# Altium PCB UZ_A_Testboard.PcbDoc (part 2 of 2)
Units mm, origin at the board's own origin, x right, y up, seen from the top; angles counter-clockwise.
Board outline 160 x 100 mm, 4 copper layers (L01_TopLayer, L02_GND, L03_VCC, L04_BottomLayer), stack 1.57 mm thick; 57 components, 80 nets, 503 pads, 305 vias.
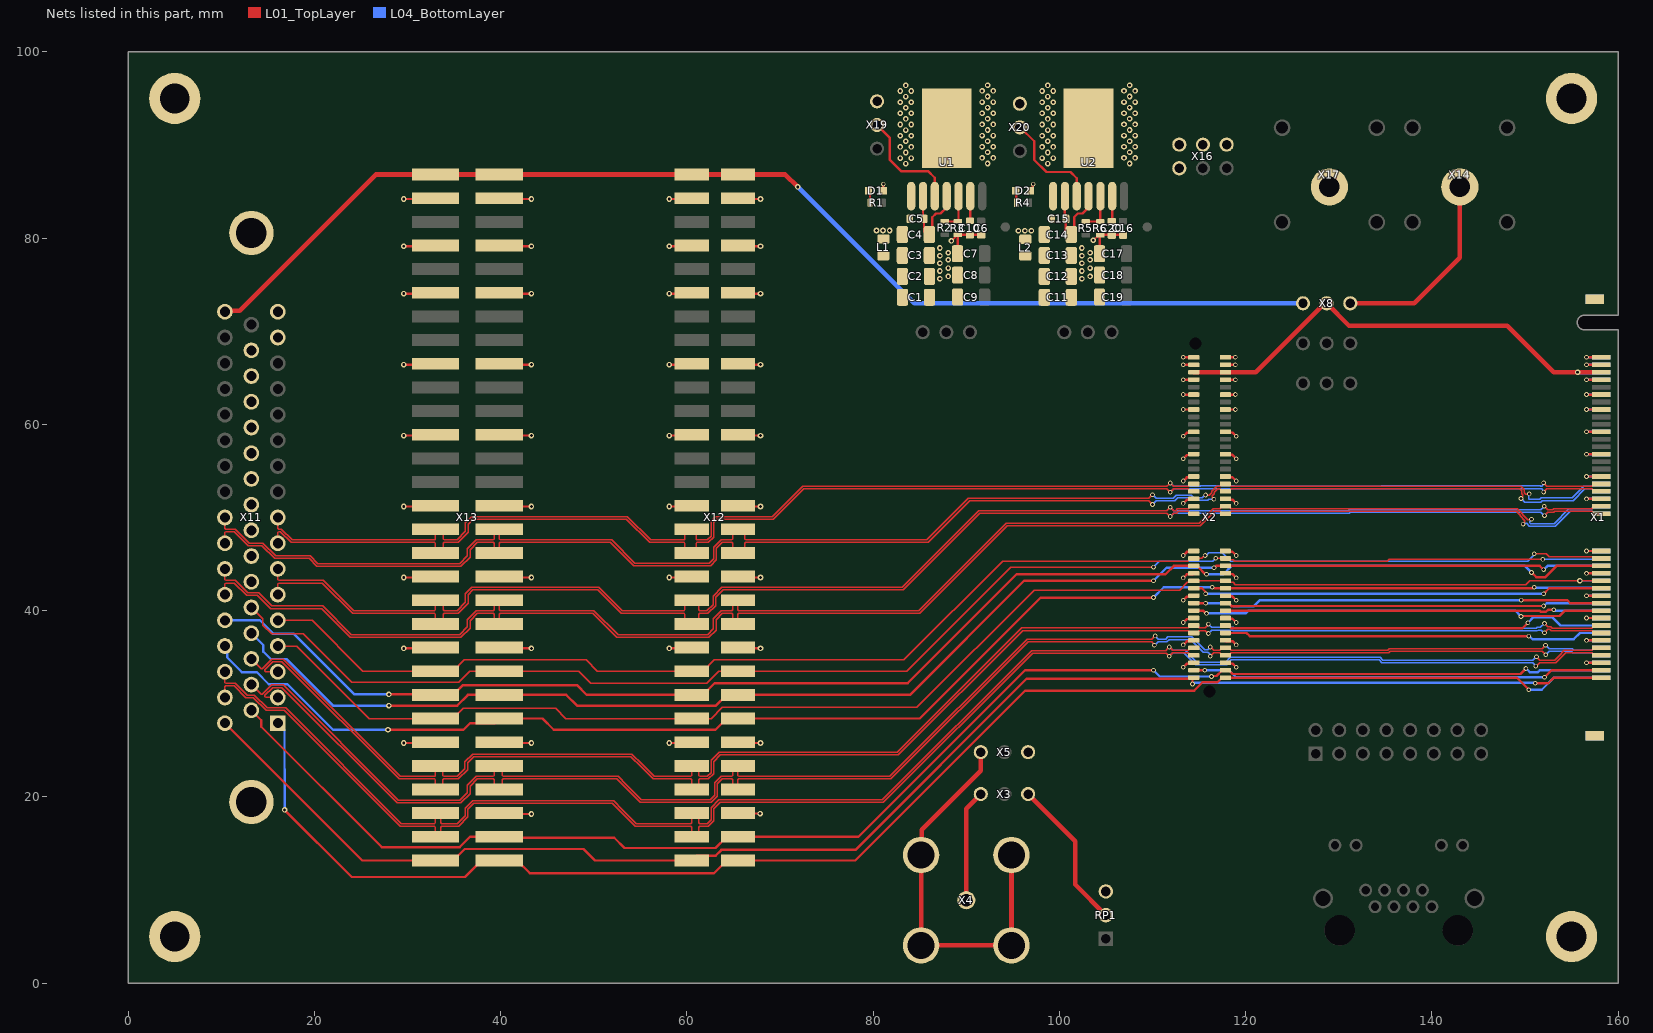
[diagram p4: the nets of this part, all layers, seen from the top]

## Via types
v1: diameter 0.6, hole 0.3, L01_TopLayer to L04_BottomLayer, tented both sides, 114 vias
v2: diameter 0.5, hole 0.3, L01_TopLayer to L04_BottomLayer, 106 vias
v3: diameter 0.6, hole 0.3, L01_TopLayer to L04_BottomLayer, 49 vias
v4: diameter 0.5, hole 0.3, L01_TopLayer to L04_BottomLayer, tented both sides, 36 vias

## Nets (pads, with @x,y where several pads share a name; then routed paths per layer and width w, separated by ;. In a path a pad name is that pad's centre, name@x,y a point inside that pad or via, vN(x,y) a via of type N, cw(c..) or ccw(c..) an arc to the next point about the centre after c; other vN are vias at no path point) (continued)
ANL_06_N: X1.37 X2.37 X11.8 X12.33 X13.33 | length 156.8
  L01_TopLayer w0.15: X11.8@16.069,47.239 16.069,48.393 16.157,48.481 16.34,48.481 17.5,47.321 30.039,47.321 32.912,47.321 33,47.233 X13.33@33,46.19 33.298,46.19 33.858,46.75 33.858,47.233 33.946,47.321 35.433,47.321 36.5,48.389 36.5,49.3 37.023,49.823 53.501,49.823 56.003,47.322 59.693,47.322 59.781,47.234 59.781,46.75 60.341,46.19 X12.33@60.525,46.19 60.993,46.658 60.993,47.234 61.081,47.322 62.301,47.322 62.867,47.887 62.867,49.475 63.184,49.792 69.292,49.792 72.561,53.061 110.717,53.061 111.539,53.062 111.9,52.702 v2(111.9,52.7) 111.902,52.7 112.262,53.061 112.689,53.061 ; 112.69,53.061 113.82,53.061 114.081,52.8 X2.37@114.431,52.8 ; v2(152,52.725) 152.362,53.087 154.649,53.087 154.674,53.061 157.189,53.061 157.45,52.8 X1.37@158.2,52.8
  L04_BottomLayer w0.15: v2(111.9,52.7) 111.902,52.7 112.263,53.062 115.257,53.062 115.307,53.112 118.596,53.112 118.646,53.062 134.677,53.062 134.727,53.112 151.551,53.112 151.575,53.087 151.814,53.087 151.933,52.968 151.933,52.792 v2(152,52.725)
ANL_06_P: X1.35 X2.35 X11.9 X12.31 X13.31 | length 156.8
  L01_TopLayer w0.15: X11.9@16.069,50 16.069,48.846 16.157,48.758 16.455,48.758 17.615,47.598 29.924,47.598 32.912,47.598 33,47.686 X13.31@33,48.73 33.298,48.73 33.858,48.17 33.858,47.686 33.946,47.598 35.318,47.598 36.223,48.503 36.223,49.415 36.908,50.1 53.616,50.1 56.118,47.599 59.693,47.599 59.781,47.686 59.781,48.17 60.341,48.73 X12.31@60.525,48.73 60.993,48.262 60.993,47.686 61.081,47.599 62.187,47.599 62.59,48.002 62.59,49.59 63.069,50.069 69.177,50.069 72.447,53.338 110.602,53.338 ; 110.603,53.339 111.541,53.339 111.788,53.586 111.899,53.586 v2@111.9,53.585 ; v2(111.903,53.7) 111.9,53.697 v2@111.9,53.585 ; 112.574,53.338 112.264,53.338 112.016,53.585 v2@111.9,53.585 ; 112.575,53.338 113.82,53.338 114.081,53.6 X2.35@114.431,53.6 ; v2(152,53.725) 152.361,53.364 154.763,53.364 154.789,53.338 157.189,53.338 157.45,53.6 X1.35@158.2,53.6
  L04_BottomLayer w0.15: v2(111.903,53.7) 111.903,53.698 112.263,53.338 115.142,53.338 115.192,53.388 118.71,53.388 118.76,53.338 134.562,53.338 134.612,53.388 151.665,53.388 151.69,53.364 151.814,53.364 151.933,53.483 151.933,53.658 v2(152,53.725)
ANL_07_N: X1.38 X2.38 X11.41 X12.34 X13.34 | length 163
  L01_TopLayer w0.15: X11.41@10.389,47.239 10.389,48.393 10.477,48.481 11.392,48.481 12.894,46.978 14.354,46.978 15.734,45.598 19.43,45.598 20.265,44.763 35.723,44.763 36.71,45.75 36.71,46.535 37.496,47.321 39.21,47.321 39.298,47.233 X13.34@39.298,46.75 ; X13.34@39.858,46.19 39.858,47.233 39.946,47.321 51.787,47.321 54.285,44.823 62.538,44.823 63.176,45.461 63.176,46.684 63.813,47.322 64.827,47.322 64.915,47.234 64.915,46.75 X12.34@65.475,46.19 65.659,46.19 66.219,46.75 66.219,47.234 66.307,47.322 85.894,47.322 90.35,51.777 109.621,51.777 109.998,51.4 v2(110,51.4) ; v2(116.589,51.954) 116.589,52.048 116.438,52.199 116.438,52.341 116.652,52.555 116.652,52.708 117.006,53.061 117.219,53.061 117.481,52.8 118.181,52.8 118.443,53.061 118.656,53.061 149.419,53.061 149.631,52.849 149.631,52.537 149.738,52.43 149.738,52.296 149.58,52.138 v2(149.58,52.043)
  L04_BottomLayer w0.15: v2(110,51.4) 110,51.402 110.375,51.777 112.367,51.777 112.686,52.096 114.03,52.096 114.295,51.831 115.935,51.831 116.058,51.954 v2(116.589,51.954) ; v2(149.58,52.043) 149.966,51.657 151.699,51.657 151.865,51.823 155.182,51.823 156.42,53.061 157.188,53.061 157.45,52.8 X1.38@158.2,52.8
ANL_07_P: X1.36 X2.36 X11.42 X12.32 X13.32 | length 162.5
  L01_TopLayer w0.15: X11.42@10.389,50 10.389,48.846 10.477,48.758 11.507,48.758 13.009,47.255 14.469,47.255 15.849,45.875 19.545,45.875 20.38,45.04 35.608,45.04 36.433,45.865 36.433,46.65 37.382,47.598 39.21,47.598 39.298,47.686 X13.32@39.298,48.17 ; X13.32@39.858,48.73 39.858,47.686 39.946,47.598 51.902,47.598 54.4,45.1 62.423,45.1 62.899,45.576 62.899,46.799 63.699,47.599 64.827,47.599 64.915,47.686 64.915,48.17 X12.32@65.475,48.73 65.659,48.73 66.219,48.17 66.219,47.686 66.307,47.599 85.78,47.599 90.235,52.054 109.621,52.054 109.996,52.429 v2(109.996,52.431) ; v2(115.702,52.417) 115.735,52.384 116.09,52.384 116.375,52.67 116.375,52.822 116.891,53.338 117.219,53.338 117.481,53.6 X2.36@117.831,53.6 118.181,53.6 118.443,53.338 118.771,53.338 149.534,53.338 149.908,52.964 149.908,52.652 150.065,52.495 150.414,52.495 v2(150.452,52.533)
  L04_BottomLayer w0.15: v2(109.996,52.431) v2(109.996,52.431) 110.375,52.054 112.252,52.054 112.571,52.373 114.144,52.373 114.41,52.108 115.34,52.108 115.649,52.417 v2(115.702,52.417) ; v2(150.452,52.533) 150.395,52.475 150.395,52.022 150.482,51.934 151.584,51.934 151.75,52.1 155.067,52.1 156.305,53.338 157.188,53.338 157.45,53.6 X1.36@158.2,53.6
ANL_08_N: X1.43 X2.43 X11.6 X12.39 X13.39 | length 159.3
  L01_TopLayer w0.15: X11.6@16.069,41.717 16.069,42.871 16.157,42.959 20.841,42.959 24.099,39.701 30.039,39.701 32.912,39.701 33,39.613 X13.39@33,38.57 33.292,38.57 33.852,39.13 33.852,39.613 33.94,39.701 35.433,39.701 36.5,40.769 36.5,41.7 37.023,42.223 50.441,42.223 52.963,39.702 59.693,39.702 59.781,39.614 59.781,39.13 60.341,38.57 X12.39@60.525,38.57 60.709,38.57 61.269,39.13 61.269,39.614 61.357,39.702 62.258,39.702 63.079,40.523 63.079,41.421 63.881,42.223 83.223,42.223 91.461,50.462 111.538,50.462 111.8,50.2 v2@111.9,50.2 ; v2(111.9,50.1) v2@111.9,50.2 ; X2.43@114.431,50.4 114.081,50.4 113.82,50.661 112.788,50.661 112.588,50.462 112.262,50.462 112,50.2 v2@111.9,50.2 ; v2(152.1,50.2) 152.1,50.22 152.441,50.561 153.104,50.561 153.204,50.661 156.734,50.661 157.189,50.661 157.45,50.4 X1.43@158.2,50.4
  L04_BottomLayer w0.15: v2(111.9,50.1) 112.262,50.462 131.147,50.462 131.246,50.561 151.719,50.561 152.08,50.2 v2(152.1,50.2)
ANL_08_P: X1.41 X2.41 X11.7 X12.37 X13.37 | length 159.3
  L01_TopLayer w0.15: X11.7@16.069,44.478 16.069,43.324 16.157,43.236 20.956,43.236 24.214,39.978 29.924,39.978 32.912,39.978 33,40.066 X13.37@33,41.11 33.292,41.11 33.852,40.55 33.852,40.066 33.94,39.978 35.318,39.978 36.223,40.883 36.223,41.815 36.908,42.5 50.556,42.5 53.078,39.979 59.693,39.979 59.781,40.066 59.781,40.55 60.341,41.11 X12.37@60.525,41.11 60.709,41.11 61.269,40.55 61.269,40.066 61.357,39.979 62.143,39.979 62.802,40.638 62.802,41.536 63.766,42.5 83.108,42.5 91.347,50.739 111.539,50.739 v2(111.9,51.1) 112.261,50.739 112.474,50.739 112.674,50.938 113.82,50.938 114.081,51.2 X2.41@114.431,51.2 ; v2(152.059,51.199) 152.08,51.199 152.441,50.838 152.989,50.838 153.09,50.938 156.975,50.938 157.189,50.938 157.45,51.2 X1.41@158.2,51.2
  L04_BottomLayer w0.15: v2(111.9,51.1) 112.262,50.738 131.032,50.738 131.132,50.838 151.719,50.838 152.059,51.179 v2(152.059,51.199)
ANL_09_N: X1.44 X2.44 X11.39 X12.40 X13.40 | length 165.4
  L01_TopLayer w0.15: X11.39@10.389,41.717 10.389,42.871 10.477,42.959 11.392,42.959 12.728,41.623 13.885,41.623 15.285,40.223 20.785,40.223 23.865,37.143 35.723,37.143 36.71,38.13 36.71,38.915 37.496,39.701 39.21,39.701 39.298,39.613 X13.40@39.298,39.13 ; X13.40@39.858,38.57 39.858,39.613 39.946,39.701 49.907,39.701 52.485,37.123 62.338,37.123 63.126,37.911 63.126,39.014 63.813,39.702 64.827,39.702 64.915,39.614 64.915,39.13 X12.40@65.475,38.57 65.475,39.614 65.563,39.702 85.001,39.702 94.423,49.123 115.122,49.123 116.661,50.661 117.219,50.661 117.481,50.4 X2.44@117.831,50.4 118.181,50.4 118.443,50.661 118.656,50.661 149.047,50.661 149.47,50.239 149.47,50.2 149.993,49.677 149.993,49.552 149.796,49.355 v2(149.796,49.289)
  L04_BottomLayer w0.15: v2(149.796,49.289) 149.862,49.355 150.183,49.355 150.473,49.065 153.242,49.065 154.839,50.661 157.188,50.661 157.45,50.4 X1.44@158.2,50.4
ANL_09_P: X1.42 X2.42 X11.40 X12.38 X13.38 | length 165.4
  L01_TopLayer w0.15: X11.40@10.389,44.478 10.389,43.324 10.477,43.236 11.507,43.236 12.843,41.9 14,41.9 15.4,40.5 20.9,40.5 23.98,37.42 35.608,37.42 36.433,38.245 36.433,39.03 37.382,39.978 39.21,39.978 39.298,40.066 X13.38@39.298,40.55 ; X13.38@39.858,41.11 39.858,40.066 39.946,39.978 50.022,39.978 52.6,37.4 62.223,37.4 62.849,38.026 62.849,39.129 63.699,39.979 64.827,39.979 64.915,40.066 64.915,40.55 X12.38@65.475,41.11 65.475,40.066 65.563,39.979 84.887,39.979 94.308,49.4 115.008,49.4 116.546,50.938 117.219,50.938 117.481,51.2 X2.42@117.831,51.2 118.181,51.2 118.443,50.938 118.771,50.938 149.162,50.938 149.747,50.354 149.747,50.315 150.31,49.751 150.632,49.751 v2(150.698,49.817)
  L04_BottomLayer w0.15: v2(150.698,49.817) 150.698,49.752 150.5,49.554 150.5,49.43 150.588,49.342 153.128,49.342 154.724,50.938 157.188,50.938 157.45,51.2 X1.42@158.2,51.2
ANL_Res_00: X1.59 X2.59 | length 44.3
  L01_TopLayer w0.254: X2.59@114.431,40.8 v2(115.7,40.8) ; v2(149.6,41.131) 154.534,41.131 154.866,40.8 X1.59@158.2,40.8
  L04_BottomLayer w0.254: v2(115.7,40.8) 118.2,40.8 118.5,40.5 118.725,40.5 118.739,40.486 120.886,40.486 121.531,41.131 v2(149.6,41.131)
ANL_Res_01: X1.60 X2.60 | length 40.6
  L01_TopLayer w0.254: X2.60@117.831,40.8 118.181,40.8 118.495,40.486 119.261,40.486 119.275,40.5 v2(152,40.5)
  L04_BottomLayer w0.254: v2(152,40.5) 152.04,40.5 152.339,40.8 X1.60@158.2,40.8
ANL_Res_02: X1.61 X2.61 | length 44.5
  L01_TopLayer w0.254: X2.61@114.431,40 115.433,40 115.733,39.7 v2(115.8,39.7) ; v2(149.576,39.369) 149.623,39.416 149.816,39.416 149.819,39.419 153.719,39.419 154.3,40 X1.61@158.2,40
  L04_BottomLayer w0.254: v2(115.8,39.7) 120,39.7 120.3,40 148.945,40 v2(149.576,39.369)
ANL_Res_03: X1.62 X2.62 | length 40.6
  L01_TopLayer w0.254: X2.62@117.831,40 151.578,40 151.709,39.869 152.261,39.869 152.469,40.077 153.077,40.077 v2(153.1,40.1)
  L04_BottomLayer w0.254: v2(153.1,40.1) 153.167,40.1 153.267,40 X1.62@158.2,40
ANL_Res_05: X1.66 X2.66 | length 41.4
  L01_TopLayer w0.254: X2.66@117.831,38.4 118.181,38.4 118.495,38.086 149.706,38.086 v2(150.313,38.693)
  L04_BottomLayer w0.254: v2(150.313,38.693) 150.92,39.3 152.9,39.3 153.8,38.4 X1.66@158.2,38.4
ANL_Res_07: X1.68 X2.68 | length 40.9
  L01_TopLayer w0.254: X2.68@117.831,37.6 120.1,37.6 120.442,37.258 v2(150.4,37.258)
  L04_BottomLayer w0.254: v2(150.4,37.258) 150.467,37.258 150.805,36.919 155.219,36.919 155.9,37.6 X1.68@158.2,37.6
ANL_Res_12: X1.77 X2.77 | length 44.4
  L01_TopLayer w0.254: X2.77@114.431,33.6 v2(115.6,33.6) ; v2(152.1,32.838) 152.862,33.6 X1.77@158.2,33.6
  L04_BottomLayer w0.254: v2(115.6,33.6) 118.2,33.6 118.962,32.838 v2(152.1,32.838)
ANL_Res_14: X1.55 X2.55 | length 44.4
  L01_TopLayer w0.254: X2.55@114.431,42.4 115.3,42.4 115.672,42.028 115.672,41.847 v2(115.7,41.819) ; v2(152,41.8) 152.6,42.4 X1.55@158.2,42.4
  L04_BottomLayer w0.254: v2(115.7,41.819) 119.781,41.819 119.8,41.8 v2(152,41.8)
ANL_SPI_CLK: X1.48 X2.48 X11.22 X12.44 X13.44 | length 155.5
  L01_TopLayer w0.15: X11.22@13.229,40.336 14.462,39.104 14.462,38.438 15.4,37.5 18.8,37.5 24,32.3 35.5,32.3 36.69,33.49 X13.44@39.858,33.49 48.41,33.49 49.7,32.2 62.12,32.2 63.41,33.49 X12.44@65.475,33.49 83.59,33.49 94.771,44.671 v2(110.1,44.671) ; v2(116.79,45.621) 116.8,45.611 117.821,45.611 117.988,45.443 118.656,45.443 118.799,45.3 135.202,45.3 135.402,45.5 v2(151.9,45.5)
  L04_BottomLayer w0.15: v2(110.1,44.671) 110.708,45.279 116.448,45.279 v2(116.79,45.621) ; v2(151.9,45.5) 158.1,45.5 X1.48@158.2,45.6
ANL_SPI_CS: X1.53 X1.54 X2.53 X2.54 X11.4 X12.47 X13.47 | length 155.2
  L01_TopLayer w0.15: X11.4@16.069,36.195 18.105,36.195 25.89,28.41 X13.47@33,28.41 34.905,28.41 35.995,29.5 45.9,29.5 46.99,28.41 X12.47@60.525,28.41 62.59,28.41 63.78,29.6 84.7,29.6 97.3,42.2 112.9,42.2 113.753,43.053 114.284,43.053 X2.53@114.431,43.2 X2.54@117.831,43.2 117.988,43.043 118.656,43.043 118.899,42.8 150.1,42.8 150.5,43.2 v3(155.9,43.2) ; v3@156.1,43.2 v3(155.9,43.2) ; X1.53@158.2,43.2 v3(155.9,43.2)
  L04_BottomLayer w0.15: v3(155.9,43.2) X1.54@158.2,43.2
ANL_SPI_MOSI: X1.47 X2.47 X11.5 X12.43 X13.43 | length 151.6
  L01_TopLayer w0.15: X11.5@16.069,38.956 19.744,38.956 25.21,33.49 X13.43@33,33.49 34.905,33.49 36.115,34.7 49.175,34.7 50.385,33.49 X12.43@60.525,33.49 61.73,33.49 62.94,34.7 83.3,34.7 93.9,45.3 113.781,45.3 114.081,45.6 X2.47@114.431,45.6 114.446,45.615 115.281,45.615 115.583,45.916 v2(115.651,45.916) ; v2(151,46.1) 152.3,46.1 152.625,45.775 158.025,45.775 X1.47@158.2,45.6
  L04_BottomLayer w0.15: v2(115.651,45.916) 115.746,45.916 116.03,46.2 117.5,46.2 118.4,45.3 150.295,45.3 151,46.005 v2(151,46.1)
Collective_FLT: X1.78 X2.78 X11.18 X12.58 X13.58 | length 161.5
  L01_TopLayer w0.254: X11.18@13.229,29.293 14.296,28.225 14.296,27.532 27.229,14.6 35.6,14.6 36.71,15.71 X13.58@39.858,15.71 39.968,15.6 52.2,15.6 53.3,14.5 63.06,14.5 64.27,15.71 X12.58@65.475,15.71 78.41,15.71 96.3,33.6 v2(110.1,33.6) ; v2(116.343,32.931) 116.39,32.978 116.859,32.978 117.481,33.6 X2.78@117.831,33.6 118.181,33.6 118.581,33.2 149.519,33.2 v2(150.1,33.781)
  L04_BottomLayer w0.254: v2(110.1,33.6) 110.769,32.931 v2(116.343,32.931) ; v2(150.1,33.781) 150.14,33.781 150.521,33.4 151.4,33.4 151.6,33.6 X1.78@158.2,33.6
GND: C1.2 C2.2 C3.2 C4.2 C5.1 C6.2 C7.2 C8.2 C9.2 C10.2 C11.2 C12.2 C13.2 C14.2 C15.1 C16.2 C17.2 C18.2 C19.2 C20.2 D1.1 D2.1 pad.2 R3.1 R6.2 RP1.3 U1.2 U1.4 U1.8 U2.2 U2.4 U2.8 X1.1 X1.2 X1.3 X1.4 X1.7 X1.8 X1.11 X1.12 X1.15 X1.16 X1.21 X1.22 X1.27 X1.28 X1.33 X1.34 X1.39 X1.40 X1.45 X1.46 X1.51 X1.52 X1.57 X1.58 X1.63 X1.64 X1.69 X1.70 X1.75 X1.76 X1.G1 X1.G2 X1.G3 X1.G4 X2.1 X2.2 X2.3 X2.4 X2.7 X2.8 X2.11 X2.12 X2.15 X2.16 X2.21 X2.22 X2.27 X2.28 X2.33 X2.34 X2.39 X2.40 X2.45 X2.46 X2.51 X2.52 X2.57 X2.58 X2.63 X2.64 X2.69 X2.70 X2.75 X2.76 X5.1 X11.16 X11.17 X11.23 X11.24 X11.25 X11.26 X11.27 X11.28 X11.29 X11.30 X11.31 X11.32 X11.51 X11.52 X12.03 X12.04 X12.07 X12.08 X12.11 X12.12 X12.17 X12.18 X12.23 X12.24 X12.29 X12.30 X12.35 X12.36 X12.41 X12.42 X12.49 X12.50 X12.56 X13.03 X13.04 X13.07 X13.08 X13.11 X13.12 X13.17 X13.18 X13.23 X13.24 X13.29 X13.30 X13.35 X13.36 X13.41 X13.42 X13.49 X13.50 X13.56 X16.1 X16.2 X16.3 X17.1 X19.3 X20.3 | length 228.5
  L01_TopLayer w0.2: v1(88.4,79.7) 88.81,80.11 88.81,80.173 88.97,80.333 89.102,80.333 R3.1@89.203,80.333 ; v1(103.637,79.767) 103.643,79.767 104.21,80.333 R6.2@104.342,80.333
  L01_TopLayer w0.254: v3(29.6,25.78) 32.91,25.78 X13.49@33,25.87 ; v3(29.6,35.94) 32.91,35.94 X13.41@33,36.03 ; v3(29.6,43.56) 32.91,43.56 X13.35@33,43.65 ; v3(29.6,51.18) 32.91,51.18 X13.29@33,51.27 ; v3(29.6,58.8) 32.91,58.8 X13.23@33,58.89 ; v3(29.6,66.42) 32.91,66.42 X13.17@33,66.51 ; v3(29.6,74.04) 32.91,74.04 X13.11@33,74.13 ; v3(29.6,79.12) 32.91,79.12 X13.07@33,79.21 ; v3(29.6,84.2) 32.91,84.2 X13.03@33,84.29 ; X13.56@39.858,18.25 39.948,18.16 v3(43.3,18.16) ; X13.50@39.858,25.87 39.948,25.78 v3(43.3,25.78) ; X13.42@39.858,36.03 39.948,35.94 v3(43.3,35.94) ; X13.36@39.858,43.65 39.948,43.56 v3(43.3,43.56) ; X13.30@39.858,51.27 39.948,51.18 v3(43.3,51.18) ; X13.24@39.858,58.89 39.948,58.8 v3(43.3,58.8) ; X13.18@39.858,66.51 39.948,66.42 v3(43.3,66.42) ; X13.12@39.858,74.13 39.948,74.04 v3(43.3,74.04) ; X13.08@39.858,79.21 39.948,79.12 v3(43.3,79.12) ; X13.04@39.858,84.29 39.948,84.2 v3(43.3,84.2) ; v3(58.1,25.78) 60.435,25.78 X12.49@60.525,25.87 ; v3(58.1,35.94) 60.435,35.94 X12.41@60.525,36.03 ; v3(58.1,43.56) 60.435,43.56 X12.35@60.525,43.65 ; v3(58.1,51.18) 60.435,51.18 X12.29@60.525,51.27 ; v3(58.1,58.8) 60.435,58.8 X12.23@60.525,58.89 ; v3(58.1,66.42) 60.435,66.42 X12.17@60.525,66.51 ; v3(58.1,74.04) 60.435,74.04 X12.11@60.525,74.13 ; v3(58.1,79.12) 60.435,79.12 X12.07@60.525,79.21 ; v3(58.1,84.2) 60.435,84.2 X12.03@60.525,84.29 ; X12.56@65.43,18.295 65.52,18.205 v3(67.855,18.205) ; X12.50@65.475,25.87 65.565,25.78 v3(67.9,25.78) ; X12.42@65.475,36.03 65.565,35.94 v3(67.9,35.94) ; X12.36@65.475,43.65 65.565,43.56 v3(67.9,43.56) ; X12.30@65.475,51.27 65.565,51.18 v3(67.9,51.18) ; X12.24@65.475,58.89 65.565,58.8 v3(67.9,58.8) ; X12.18@65.475,66.51 65.565,66.42 v3(67.9,66.42) ; X12.12@65.475,74.13 65.565,74.04 v3(67.9,74.04) ; X12.08@65.475,79.21 65.565,79.12 v3(67.9,79.12) ; X12.04@65.475,84.29 65.565,84.2 v3(67.9,84.2) ; D1.1@81.05,85.1 81.1,85.15 v4(81.1,85.8) ; U1.2@85.355,84.509 85.355,82.131 85.461,82.025 85.461,80.723 85.589,80.595 C4.2@86.239,80.595 ; C4.2@86.341,80.852 86.341,82.252 86.741,82.652 87.241,82.652 87.895,83.306 U1.4@87.895,84.509 ; C7.2@89.08,78.331 89.08,78.881 C7.2@89.005,78.956 ; C6.2@91.606,80.377 89.102,80.377 89.102,80.333 89.102,79.053 C7.2@89.005,78.956 ; D2.1@96.85,85.1 97.123,85.373 97.123,85.683 97.2,85.76 v4(97.2,85.8) ; U2.2@100.595,84.509 100.595,82.131 100.701,82.025 100.701,80.723 100.829,80.595 C14.2@101.479,80.595 ; C14.2@101.581,80.852 101.581,82.252 101.981,82.652 102.481,82.652 103.135,83.306 U2.4@103.135,84.509 ; C17.2@104.32,78.331 104.32,78.881 C17.2@104.245,78.956 ; C16.2@106.846,80.377 104.342,80.377 104.342,80.333 104.342,79.053 C17.2@104.245,78.956 ; v4(113.3,33.918) 113.688,34.306 114.337,34.306 X2.75@114.431,34.4 ; v4(113.3,36.318) 113.688,36.706 114.337,36.706 X2.69@114.431,36.8 ; v4(113.3,38.718) 113.688,39.106 114.337,39.106 X2.63@114.431,39.2 ; v4(113.3,41.118) 113.688,41.506 114.337,41.506 X2.57@114.431,41.6 ; v4(113.3,43.518) 113.688,43.906 114.337,43.906 X2.51@114.431,44 ; v4(113.3,45.918) 113.688,46.306 114.337,46.306 X2.45@114.431,46.4 ; v4(113.3,51.518) 113.688,51.906 114.337,51.906 X2.39@114.431,52 ; v4(113.3,53.918) 113.688,54.306 114.337,54.306 X2.33@114.431,54.4 ; v4(113.3,56.318) 113.688,56.706 114.337,56.706 X2.27@114.431,56.8 ; v4(113.3,58.718) 113.688,59.106 114.337,59.106 X2.21@114.431,59.2 ; v4(113.3,61.6) X2.15@114.431,61.6 ; v4(113.3,63.2) X2.11@114.431,63.2 ; v4(113.3,64.8) X2.7@114.431,64.8 ; v4(113.3,66.4) X2.3@114.431,66.4 ; v4(113.3,67.2) X2.1@114.431,67.2 ; X2.76@117.831,34.4 117.906,34.325 118.593,34.325 v4(119,33.917) ; X2.70@117.831,36.8 117.906,36.725 118.593,36.725 v4(119,36.317) ; X2.64@117.831,39.2 117.906,39.125 118.593,39.125 v4(119,38.717) ; X2.58@117.831,41.6 117.906,41.525 118.593,41.525 v4(119,41.117) ; X2.52@117.831,44 117.906,43.925 118.593,43.925 v4(119,43.517) ; X2.46@117.831,46.4 117.906,46.325 118.593,46.325 v4(119,45.917) ; X2.40@117.831,52 117.906,51.925 118.593,51.925 v4(119,51.517) ; X2.34@117.831,54.4 117.906,54.325 118.593,54.325 v4(119,53.917) ; X2.28@117.831,56.8 117.906,56.725 118.593,56.725 v4(119,56.317) ; X2.22@117.831,59.2 117.906,59.125 118.593,59.125 v4(119,58.717) ; X2.16@117.831,61.6 v4(118.9,61.6) ; X2.12@117.831,63.2 v4(118.9,63.2) ; X2.8@117.831,64.8 v4(118.9,64.8) ; X2.4@117.831,66.4 v4(118.9,66.4) ; X2.2@117.831,67.2 v4(118.9,67.2) ; v2(156.6,34.4) X1.75@158.2,34.4 ; v2(156.6,36.8) X1.69@158.2,36.8 ; v2(156.6,39.2) X1.63@158.2,39.2 ; v2(156.6,41.6) X1.57@158.2,41.6 ; v2(156.6,44) X1.51@158.2,44 ; v2(156.6,46.4) X1.45@158.2,46.4 ; v2(156.6,52) X1.39@158.2,52 ; v2(156.6,54.4) X1.33@158.2,54.4 ; v2(156.6,56.8) X1.27@158.2,56.8 ; v2(156.6,59.2) X1.21@158.2,59.2 ; v2(156.6,61.6) X1.15@158.2,61.6 ; v2(156.6,63.2) X1.11@158.2,63.2 ; v2(156.6,64.8) X1.7@158.2,64.8 ; v2(156.6,66.4) X1.3@158.2,66.4 ; v2(156.6,67.2) X1.1@158.2,67.2 ; C7.2@89.005,78.956 88.98,78.981 88.98,78.931 C7.2@89.005,78.956 ; C17.2@104.245,78.956 104.22,78.931 104.22,78.981 C17.2@104.245,78.956
  L04_BottomLayer w0.254: v2(156.6,34.4) X1.76@158.2,34.4 ; v2(156.6,36.8) X1.70@158.2,36.8 ; v2(156.6,39.2) X1.64@158.2,39.2 ; v2(156.6,41.6) X1.58@158.2,41.6 ; v2(156.6,46.4) X1.46@158.2,46.4 ; v2(156.6,52) X1.40@158.2,52 ; v2(156.6,54.4) X1.34@158.2,54.4 ; v2(156.6,56.8) X1.28@158.2,56.8 ; v2(156.6,59.2) X1.22@158.2,59.2 ; v2(156.6,61.6) X1.16@158.2,61.6 ; v2(156.6,63.2) X1.12@158.2,63.2 ; v2(156.6,64.8) X1.8@158.2,64.8 ; v2(156.6,66.4) X1.4@158.2,66.4 ; v2(156.6,67.2) X1.2@158.2,67.2
  other v1: 87.173,75.641 102.413,75.641 88.062,75.895 103.302,75.895 87.173,76.466 102.413,76.466 88.062,76.784 103.302,76.784 87.173,77.292 102.413,77.292 88.062,77.673 103.302,77.673 87.173,78.117 102.413,78.117 88.062,78.435 103.302,78.435 87.173,78.943 102.413,78.943 83.5,88 92.295,88.014 98.74,88 107.535,88.014 82.9,88.6 84.1,88.6 98.14,88.6 99.34,88.6 91.695,88.614 92.895,88.614 106.935,88.614 108.135,88.614 83.5,89.2 92.295,89.214 98.74,89.2 107.535,89.214 82.9,89.8 84.1,89.8 98.14,89.8 99.34,89.8 91.695,89.814 92.895,89.814 106.935,89.814 108.135,89.814 83.5,90.4 98.74,90.4 92.295,90.414 107.535,90.414 82.9,91 84.1,91 91.695,91.014 92.895,91.014 98.14,91 99.34,91 106.935,91.014 108.135,91.014 83.5,91.6 98.74,91.6 92.295,91.614 107.535,91.614 82.9,92.2 84.1,92.2 91.695,92.214 92.895,92.214 98.14,92.2 99.34,92.2 106.935,92.214 108.135,92.214 83.5,92.8 92.295,92.814 98.74,92.8 107.535,92.814 82.9,93.4 84.1,93.4 98.14,93.4 99.34,93.4 91.695,93.414 92.895,93.414 106.935,93.414 108.135,93.414 83.5,94 92.295,94.014 98.74,94 107.535,94.014 82.9,94.6 84.1,94.6 98.14,94.6 99.34,94.6 91.695,94.614 92.895,94.614 106.935,94.614 108.135,94.614 83.5,95.2 98.74,95.2 92.295,95.214 107.535,95.214 82.9,95.8 84.1,95.8 91.695,95.814 92.895,95.814 98.14,95.8 99.34,95.8 106.935,95.814 108.135,95.814 83.5,96.4 98.74,96.4 92.295,96.414 107.535,96.414
GTH_CLK_N: X1.74 X2.74 X11.2 X12.54 X13.54 | length 165.9
  L01_TopLayer w0.15: X11.2@16.069,30.673 14.757,30.673 14.669,30.761 14.669,30.885 15.527,31.743 16.512,31.743 28.892,19.363 35.723,19.363 36.71,20.35 36.71,21.135 37.496,21.921 39.21,21.921 39.298,21.833 X13.54@39.298,21.35 ; X13.54@39.858,20.79 40.173,21.104 40.173,21.833 40.26,21.921 52.487,21.921 53.034,21.374 53.304,21.104 54.985,19.423 62.638,19.423 63.276,20.061 63.276,21.384 63.813,21.922 64.827,21.922 64.915,21.834 64.915,21.35 X12.54@65.475,20.79 65.475,21.834 65.563,21.922 70.599,21.922 81.913,21.921 96.638,36.646 109.893,36.646 110.205,36.335 v2(110.205,36.287) ; v2(116.2,35.1) 116.561,35.462 116.891,35.462 117.219,35.461 117.481,35.2 X2.74@117.831,35.2 118.181,35.2 118.443,35.461 118.656,35.461 135.381,35.461 135.553,35.634 151.833,35.634 152.21,35.257 v2(152.221,35.257)
  L04_BottomLayer w0.15: v2(110.205,36.287) 110.252,36.287 110.612,36.646 111.527,36.646 111.778,36.896 114.1,36.896 115.475,35.521 115.955,35.521 116.133,35.343 116.133,35.167 v2(116.2,35.1) ; v2(152.221,35.257) 152.221,35.267 152.587,35.634 154.951,35.634 155.124,35.461 157.189,35.461 157.45,35.2 X1.74@158.2,35.2
GTH_CLK_P: X1.72 X2.72 X11.19 X12.52 X13.52 | length 166.2
  L01_TopLayer w0.15: X11.19@13.229,32.053 14.275,31.007 14.399,31.007 15.412,32.02 16.627,32.02 29.007,19.64 35.608,19.64 36.433,20.465 36.433,21.25 37.382,22.198 39.21,22.198 39.298,22.286 X13.52@39.298,22.77 ; X13.52@39.858,23.33 40.173,23.015 40.173,22.286 40.26,22.198 52.602,22.198 53.5,21.3 55.1,19.7 62.523,19.7 62.999,20.176 62.999,21.499 63.699,22.199 64.827,22.199 64.915,22.286 64.915,22.77 X12.52@65.475,23.33 65.475,22.286 65.563,22.199 70.714,22.199 81.799,22.198 96.523,36.923 109.893,36.923 110.252,37.282 v2(110.3,37.282) ; v2(116.2,36.1) 116.561,35.739 117.006,35.739 117.219,35.738 117.481,36 X2.72@117.831,36 118.181,36 118.443,35.738 118.923,35.738 ; 118.924,35.738 135.266,35.738 135.438,35.911 151.833,35.911 152.2,36.278 v2(152.2,36.288)
  L04_BottomLayer w0.15: v2(110.3,37.282) 110.3,37.235 110.612,36.923 111.413,36.923 111.663,37.173 114.215,37.173 115.59,35.798 115.955,35.798 116.2,36.043 v2(116.2,36.1) ; v2(152.2,36.288) 152.21,36.288 152.587,35.911 155.066,35.911 155.238,35.738 157.189,35.738 157.45,36 X1.72@158.2,36
GTH_RX0_N: X1.71 X2.71 X11.36 X12.55 X13.55 | length 174.2
  L01_TopLayer w0.15: X11.36@10.389,33.434 10.389,32.28 10.477,32.192 11.507,32.192 12.765,30.933 13.564,30.933 14.944,29.553 16.899,29.553 29.334,17.118 29.924,17.118 32.912,17.118 33,17.206 X13.55@33,18.25 ; X13.55@33.292,18.25 X13.55@33,18.25 ; X12.55@60.525,18.25 60.525,17.206 60.437,17.118 54.582,17.118 53.081,18.619 52.123,19.577 36.977,19.577 36.2,18.8 36.2,17.956 35.362,17.118 33.648,17.118 33.56,17.206 33.56,17.69 X13.55@33,18.25 ; X12.55@61.269,17.69 61.269,17.206 61.357,17.119 62.187,17.119 62.59,17.522 62.59,18.825 63.442,19.677 80.977,19.677 97.008,35.708 110.938,35.708 111.408,35.708 111.7,36 111.8,36 111.9,36 112.161,35.739 113.06,35.739 113.82,35.738 114.081,36 X2.71@114.431,36 ; v2@111.8,36 v2(111.8,36.1) ; v2(151.241,35.055) 151.241,35.008 151.563,34.686 152.126,34.686 152.134,34.678 153.178,34.678 153.619,35.119 154.238,35.738 157.189,35.738 157.45,36 X1.71@158.2,36
  L04_BottomLayer w0.15: v2(111.8,36.1) 112.161,35.738 112.614,35.738 113.495,35.738 114.757,34.477 117.85,34.477 118.35,34.977 134.445,34.977 134.737,34.686 150.825,34.686 151.194,35.055 v2(151.241,35.055)
GTH_RX0_P: X1.73 X2.73 X11.35 X12.57 X13.57 | length 174.1
  L01_TopLayer w0.15: X11.35@10.389,30.673 10.389,31.827 10.477,31.915 11.392,31.915 12.65,30.656 13.449,30.656 14.829,29.276 16.784,29.276 29.219,16.841 30.039,16.841 32.912,16.841 33,16.753 X13.57@33,15.71 ; X13.57@33.292,15.71 X13.57@33,15.71 ; X12.57@60.525,15.71 60.525,16.754 60.437,16.841 54.467,16.841 52.804,18.504 52.008,19.3 37.092,19.3 36.477,18.685 36.477,17.842 35.476,16.841 33.648,16.841 33.56,16.753 33.56,16.27 X13.57@33,15.71 ; X12.57@61.269,16.27 61.269,16.754 61.357,16.842 62.301,16.842 62.867,17.407 62.867,18.71 63.557,19.4 81.092,19.4 97.123,35.431 111.053,35.431 111.469,35.431 v2(111.8,35.1) 112.161,35.462 112.945,35.462 113.82,35.461 114.081,35.2 X2.73@114.431,35.2 ; v2(151.147,34.039) 151.194,34.039 151.563,34.409 151.858,34.409 151.866,34.401 153.293,34.401 153.896,35.004 154.353,35.461 157.189,35.461 157.45,35.2 X1.73@158.2,35.2
  L04_BottomLayer w0.15: v2(111.8,35.1) 112.161,35.462 112.729,35.462 113.381,35.462 114.642,34.2 117.965,34.2 118.465,34.7 134.331,34.7 134.622,34.409 150.825,34.409 151.147,34.087 v2(151.147,34.039)
GTH_TX0_N: X1.67 X2.67 X11.3 X12.53 X13.53 | length 165.1
  L01_TopLayer w0.15: X11.3@16.069,33.434 14.757,33.434 14.669,33.522 14.669,33.646 15.527,34.504 16.512,34.504 29.095,21.921 30.039,21.921 32.912,21.921 33,21.833 X13.53@33,20.79 X13.53@33.239,20.79 ; X13.53@33.292,20.79 X13.53@33.239,20.79 ; v2(116,37.55) 115.689,37.862 115.371,37.862 115.043,37.861 114.781,37.6 X2.67@114.431,37.6 114.081,37.6 113.82,37.861 96.053,37.861 82.692,24.5 63.577,24.5 62.867,23.79 62.867,22.487 62.301,21.922 61.357,21.922 61.269,21.834 61.269,21.35 60.709,20.79 X12.53@60.525,20.79 60.525,21.834 60.437,21.922 56.387,21.922 55.085,23.223 53.985,24.323 37.115,24.323 36.439,23.648 36.439,22.928 35.433,21.921 33.887,21.921 33.799,21.833 33.799,21.35 X13.53@33.239,20.79 ; v2(152.1,37.632) 152.462,37.993 152.652,37.993 152.809,37.837 157.213,37.837 157.45,37.6 X1.67@158.2,37.6
  L04_BottomLayer w0.15: v2(116,37.55) 116.362,37.912 118.596,37.912 118.67,37.837 151.327,37.837 151.407,37.917 151.72,37.917 152.005,37.632 v2(152.1,37.632)
GTH_TX0_P: X1.65 X2.65 X11.20 X12.51 X13.51 | length 165.6
  L01_TopLayer w0.15: X11.20@13.229,34.814 14.275,33.768 14.399,33.768 15.412,34.781 16.627,34.781 29.21,22.198 29.924,22.198 32.912,22.198 33,22.286 X13.51@33,23.33 X13.51@33.239,23.33 ; X13.51@33.292,23.33 X13.51@33.239,23.33 ; v2@116.05,38.5 115.689,38.139 115.256,38.139 115.043,38.138 114.781,38.4 X2.65@114.431,38.4 114.081,38.4 113.82,38.138 95.939,38.138 82.577,24.777 63.462,24.777 62.59,23.905 62.59,22.602 62.187,22.199 61.357,22.199 61.269,22.286 61.269,22.77 60.709,23.33 X12.51@60.525,23.33 60.525,22.286 60.437,22.199 56.502,22.199 55.2,23.5 54.1,24.6 37,24.6 36.162,23.762 36.162,23.043 35.318,22.198 33.887,22.198 33.799,22.286 33.799,22.77 X13.51@33.239,23.33 ; v2(152.1,38.632) 152.461,38.27 152.767,38.27 152.923,38.114 157.164,38.114 157.45,38.4 X1.65@158.2,38.4
  L04_BottomLayer w0.15: v2@116,38.45 116.1,38.45 116.362,38.188 118.71,38.188 118.785,38.114 151.212,38.114 151.292,38.194 151.662,38.194 v2(152.1,38.632)
  other v2: 116,38.55
NetC1_1: C1.1 C2.1 C3.1 C4.1 C5.2 L1.1 U1.1
NetC10_1: C10.1 U1.6 | length 2.8
  L01_TopLayer w0.254: C10.1@90.389,81.777 90.435,81.823 U1.6@90.435,84.509
NetC11_1: C11.1 C12.1 C13.1 C14.1 C15.2 L2.1 U2.1
NetC20_1: C20.1 U2.6 | length 2.8
  L01_TopLayer w0.254: C20.1@105.629,81.777 105.675,81.823 U2.6@105.675,84.509
NetD1_2: D1.2 R1.1 | length 1.3
  L01_TopLayer w0.254: D1.2@79.65,85.1 79.66,85.09 79.66,83.81 R1.1@79.67,83.8
NetD2_2: D2.2 R4.1 | length 1.3
  L01_TopLayer w0.254: D2.2@95.35,85.1 95.36,85.09 95.36,83.81 R4.1@95.37,83.8
NetR2_1: R2.1 R3.2 U1.5 | length 4
  L01_TopLayer w0.15: R2.1@87.595,81.782 R2.1@87.7,81.782
  L01_TopLayer w0.254: R2.1@87.701,81.782 R3.2@88.865,81.782 ; R3.2@89.16,81.783 89.163,81.786 89.163,82.372 U1.5@89.165,84.509
NetR5_1: R5.1 R6.1 U2.5 | length 4
  L01_TopLayer w0.254: R5.1@102.836,81.782 R6.1@104.105,81.782 ; R6.1@104.4,81.783 104.403,81.786 104.403,82.372 U2.5@104.405,84.509
NetU1_3: U1.3 X19.2 | length 11.9
  L01_TopLayer w0.254: X19.2@80.416,92.151 81.8,90.768 81.8,88.4 83,87.2 85.9,87.2 86.625,86.475 U1.3@86.625,84.509
NetU2_3: U2.3 X20.2 | length 11.5
  L01_TopLayer w0.254: X20.2@95.758,91.897 95.803,91.897 97.3,90.4 97.3,88.4 98.6,87.1 101.2,87.1 101.865,86.435 U2.3@101.865,84.509
PILOT_IN: X1.80 X2.80 X11.1 X12.60 X13.60 | length 165.1
  L01_TopLayer w0.254: v3(16.8,18.6) 24,11.4 36.183,11.4 37.953,13.17 X13.60@39.858,13.17 41.763,13.17 43.133,11.8 62.9,11.8 64.27,13.17 X12.60@65.475,13.17 78.07,13.17 96.3,31.4 114.471,31.4 115.371,32.3 116.981,32.3 117.481,32.8 X2.80@117.831,32.8 149.119,32.8 150.4,31.519 v2(150.4,31.5)
  L04_BottomLayer w0.254: X11.1@16.069,27.912 16.787,27.194 16.787,22.983 16.8,22.97 v3(16.8,18.6) ; v2(150.4,31.5) 151.8,31.5 153.1,32.8 X1.80@158.2,32.8
PILOT_OUT: X1.79 X2.79 X11.34 X12.59 X13.59 | length 164.3
  L01_TopLayer w0.254: X11.34@10.389,27.912 25.131,13.17 X13.59@33,13.17 34.905,13.17 36.135,14.4 48.9,14.4 50.13,13.17 X12.59@60.525,13.17 61.033,13.678 63.078,13.678 63.7,14.3 78.1,14.3 96.5,32.7 X2.79@114.312,32.7 ; v2(114.289,32.111) 114.289,32.677 X2.79@114.312,32.7 ; v2(151.107,32.207) 152.507,32.207 153.1,32.8 X1.79@158.2,32.8 ; X2.79@114.312,32.7 114.331,32.7 X2.79@114.431,32.8 114.412,32.8 X2.79@114.312,32.7
  L04_BottomLayer w0.254: v2(114.289,32.111) 114.356,32.111 114.507,32.262 150.878,32.262 150.886,32.254 151.06,32.254 v2(151.107,32.207)
PS_ANL_shared: X1.56 X2.56 X11.37 X12.48 X13.48 | length 159.6
  L01_TopLayer w0.254: v3(27.9,27.2) 36,27.2 36.702,27.902 39.35,27.902 X13.48@39.858,28.41 44.49,28.41 45.7,27.2 63.06,27.2 64.27,28.41 X12.48@65.475,28.41 85.01,28.41 98,41.4 v2(110.1,41.4) ; v2(116.417,42.516) 116.483,42.516 116.6,42.4 150.86,42.4 150.96,42.5 v2(151,42.5)
  L04_BottomLayer w0.254: X11.37@10.389,36.195 10.631,35.953 10.631,34.969 12.2,33.4 13.8,33.4 15.1,32.1 17.1,32.1 22,27.2 v3(27.9,27.2) ; v2(110.1,41.4) 111.216,42.516 v2(116.417,42.516) ; v2(151,42.5) 151.028,42.472 158.128,42.472 X1.56@158.2,42.4
PS_I2C0_shared_SCL: X1.49 X2.49 X11.38 X12.45 X13.45 | length 159.5
  L01_TopLayer w0.254: v3(28,31) 32.95,31 X13.45@33,30.95 34.905,30.95 35.955,32 48.2,32 49.25,30.95 X12.45@60.525,30.95 61.73,30.95 62.98,32.2 83.7,32.2 95.4,43.9 111.4,43.9 112.3,44.8 X2.49@114.431,44.8 114.554,44.677 114.904,44.677 115.634,43.947 115.753,43.947 v2(115.8,43.9) ; v2(150.7,44.1) 151.2,43.6 152.2,43.6 153.4,44.8 X1.49@158.2,44.8
  L04_BottomLayer w0.254: X11.38@10.389,38.956 14.144,38.956 15.6,37.5 17.8,37.5 24.3,31 v3(28,31) ; v2(115.8,43.9) 117.6,43.9 118.5,44.8 150,44.8 v2(150.7,44.1)
PS_I2C0_shared_SDA: X1.50 X2.50 X11.21 X12.46 X13.46 | length 156.1
  L01_TopLayer w0.254: v3(28,29.8) 35.331,29.8 36.48,30.95 X13.46@39.858,30.95 47.05,30.95 48.2,29.8 63.12,29.8 64.27,30.95 X12.46@65.475,30.95 83.95,30.95 96.2,43.2 v2(110.1,43.2) ; v2(116.6,44.6) 116.662,44.6 116.862,44.8 151.578,44.8 151.978,44.4 v2(152,44.4)
  L04_BottomLayer w0.254: X11.21@13.229,37.576 14.5,36.305 14.5,35.6 15.3,34.8 17,34.8 22,29.8 v3(28,29.8) ; v2(110.1,43.2) 111.5,44.6 v2(116.6,44.6) ; v2(152,44.4) 152.022,44.4 152.422,44.8 X1.50@158.2,44.8
U_In_Neg: X4.S1 X4.S2 X4.S3 X4.S4 X5.3 | length 42.8
  L01_TopLayer w0.5: X5.3@91.56,24.8 91.56,22.804 85.214,16.458 85.214,13.814 X4.S3@85.15,13.75 X4.S2@85.15,4.05 X4.S1@94.85,4.05 X4.S4@94.85,13.75
U_In_Pos: X3.3 X4.1 | length 12
  L01_TopLayer w0.5: X4.1@90,8.9 90,18.74 X3.3@91.56,20.3
U_Poti: RP1.2 X3.1 | length 16.5
  L01_TopLayer w0.5: X3.1@96.64,20.3 101.7,15.24 101.7,10.59 RP1.2@104.99,7.3
VIN: X1.5 X1.6 X2.5 X2.6 X8.2 | length 52.7
  L01_TopLayer w0.5: X2.5@114.431,65.6 X2.6@117.831,65.6 121.1,65.6 128.5,73 X8.2@128.7,73 131.1,70.6 148.1,70.6 153.1,65.6 v3(155.65,65.6) ; v3@155.9,65.6 v3(155.65,65.6) ; X1.5@158.2,65.6 v3(155.65,65.6)
  L04_BottomLayer w0.5: v3(155.65,65.6) X1.6@158.2,65.6
VIN_EXT: L1.2 L2.2 X8.3 X14.1 X16.4 | length 21.4
  L01_TopLayer w0.5: X8.3@131.24,73 138.1,73 143,77.9 X14.1@143,85.5
  other v1: 95.6,80.8 96.3,80.8 97,80.8 80.363,80.824 81.063,80.824 81.763,80.824
VIN_UZ: X8.1 X11.50 X12.01 X12.02 X13.01 X13.02 | length 127.6
  L01_TopLayer w0.5: X11.50@10.389,72.088 10.518,72.217 11.984,72.217 26.597,86.83 X13.01@33,86.83 X13.02@39.858,86.83 X12.01@60.525,86.83 X12.02@65.475,86.83 70.57,86.83 v3(71.9,85.5)
  L04_BottomLayer w0.5: v3(71.9,85.5) 84.4,73 X8.1@126.16,73
pads on no net: X2.MH1 X2.MH2 X6.9 X6.10 X6.11 X6.12 X6.13 X6.14 X6.15 X6.16 X14.2 X17.2 X19.1 X20.1

## Polygon pours and split planes (outlines as drawn)
GND on L03_VCC "L03_GND-Plane" (solid, remove dead copper, pour order 13): 0,0 0,100 160,100 160,77.737 160,71.732 156.401,71.732 ccw(c156.401,70.945) 156.401,70.157 160,70.157 160,22.263 160,0
VIN_EXT on L03_VCC "L03_VIN_EXT" (solid, pour order 6): 80,81.6 80,80.8 80.3,80.4 98.4,80.4 102.8,84.8 122.9,84.8 126.1,88 140,88 140.411,87.589 140.37,84.33 141.8,82.9 144.1,82.9 145.6,84.4 145.6,86.8 142.4,90 125.5,90 121.9,86.4 114.7,86.4 114.2,86.9 114.2,88 113.4,88.8 112.3,88.8 111.5,88 111.5,86.9 111,86.4 102.2,86.4 97.8,82 80.3,82
GND on L01_TopLayer "L01_GND-Plane" (solid, remove dead copper, pour order 11): 0,0 0,100 160,100 160,77.737 160,71.732 156.401,71.732 ccw(c156.401,70.945) 156.401,70.157 160,70.157 160,22.263 160,0
VIN_EXT on L01_TopLayer "VIN_EXT_L01_P009" (solid, remove dead copper, pour order 9): 97.337,81.176 97.337,79.376 95.237,79.376 95.237,81.176
VIN_EXT on L01_TopLayer "VIN_EXT_L01_P004" (solid, remove dead copper, pour order 4): 82.1,81.2 82.1,79.4 80,79.4 80,81.2
GND on L02_GND "L02_GND-Plane" (solid, remove dead copper, pour order 12): 0,0 0,100 160,100 160,77.737 160,71.732 156.401,71.732 ccw(c156.401,70.945) 156.401,70.157 160,70.157 160,22.263 160,0
GND on L04_BottomLayer "L04_GND-Plane" (solid, remove dead copper, pour order 14): 0,0 0,100 160,100 160,77.737 160,71.732 156.401,71.732 ccw(c156.401,70.945) 156.401,70.157 160,70.157 160,22.263 160,0

## Other copper
L01_TopLayer:
  region net NetC1_1: 84.565,86.076 84.565,72.596 82.53,72.596 82.53,76.776 80.4,76.776 80.4,79.176 82.265,79.176 82.53,79.441 82.53,86.076
  region net 5V: 106.505,86.076 106.505,82.776 106.605,82.676 107.505,82.676 107.505,79.376 106.505,79.376 106.505,74.176 106.505,72.096 108.805,72.096 108.805,86.076
  region net NetC11_1: 99.805,86.076 99.805,72.596 97.77,72.596 97.77,76.776 95.6,76.776 95.6,79.176 97.505,79.176 97.77,79.441 97.77,86.076
  region net GND: 102.17,79.696 102.387,79.476 103.705,79.476 105.105,79.476 105.105,74.976 105.105,72.5 100.305,72.5 100.305,73.576 100.305,81.376 102.17,81.376
  region net 3V3: 91.265,86.076 91.265,82.776 91.365,82.676 92.265,82.676 92.265,79.376 91.265,79.376 91.265,74.176 91.265,72.096 93.565,72.096 93.565,86.076
  region net GND: 86.93,79.696 87.147,79.476 88.465,79.476 89.865,79.476 89.865,74.976 89.865,72.5 85.065,72.5 85.065,73.576 85.065,81.376 86.93,81.376

## Silkscreen, mask and mechanical layers (free items; w line width, h text height)
Top Overlay:
  lines w0.254: 94.1,17.7 94.1,19.35 ; 94.1,21.3 94.1,23.8 ; 94.1,25.9 94.1,30.3 ; 99.5,20.3 104.1,20.3 ; 99.5,24.8 104.1,24.8 ; 108.8,20.3 114.9,20.3 125.8,31.2 127.5,31.2 127.5,29.4 ; 108.8,24.8 117.7,24.8 125.1,32.2 130,32.2 130,29.4 ; 126.85,30.05 127.5,29.4 ; 128.15,30.05 127.5,29.4 ; 128.7,58.5 128.7,62.622 ; 128.7,66.178 128.7,66.922 ; 128.7,70.478 128.7,71.222 ; 129.35,30.05 130,29.4 ; 130.65,30.05 130,29.4
  text "3V3" at 86,97.6 h2.5
  text "5V" at 101.8,97.6 h2.5
  text "OFF" at 94.056,96.495 h2
  text "OFF" at 74.8,92.9 h2
  text "ON" at 74.8,90.1 h2
  text "ON" at 94.463,85.928 h2
  text "GND" at 126.441,76.657 h2.5
  text "VIN_EXT / 5V_EXT / 3V3_EXT" at 119.6,75.8 h2.5 r90
  text "VIN / (12..24 V)" at 138,74.9 h2.5
  text "VIN" at 133.8,72.2 h2.5
  text "5V_PER" at 133.8,68.1 h2.5
  text "5V" at 101.9,64.4 h2.5 r90
  text "3V3_PER" at 133.8,63.8 h2.5
  text "3V3" at 86.6,63.2 h2.5 r90
  text "5V_EXT" at 105.6,58.9 h2.5 r90
  text "Supply / from / UltraZohm" at 121.7,58.4 h1.5
  text "Use / On-Board / DC/DC" at 128.9,58.4 h1.5
  text "3V3_EXT" at 90.4,57.6 h2.5 r90
  text "Place jumper to apply testsignal to RJ45" at 128.4,29.9 h1.5
  text "use BNC input signal" at 86.2,27.3 h1.5
  text "Use Poti input signal" at 94.3,27.3 h1.5
  text "AIN_N" at 103.4,24.1 h1.5
  text "AIN_P" at 103.4,19.5 h1.5
  text "AIN_P1 /  / AIN_N1 /  / AIN_P2 /  / AIN_N2 /  / AIN_P3 /  / AIN_N3 /  / AIN_P4 /  / AIN_N4" at 146.3,17.4 h1.5 r90
  text "VIN_UZ /  / GND  /  / 5V_PER_UZ  /  / GND  /  / 3V3_PER_UZ  /  / GND  /  / ANL_00_P  /  / ANL_00_N  /  / GND  /  / ANL_02_P  /  / ANL_02_N  /  / GND  /  / ANL_04_P  /  / ANL_04_N  /  / GND  /  / ANL_06_P  /  / ANL_06_N  /  / GND  /  / ANL_08_P  /  / ANL_08_N  /  / GND  /  / ANL_SPI_MOSI  /  / PS_I2C0_shared_SCL  /  / ANL_SPI_CS  /  / GND  /  / GTH_TX0_P  /  / GTH_TX0_N  /  / GTH_RX0_N  /  / GTH_RX0_P  /  / PILOT_OUT" at 43.5,12.4 h1.52
  text "VIN_UZ  /  / GND  /  / 5V_PER_UZ  /  / GND  /  / 3V3_PER_UZ  /  / ANL_01_P  /  / ANL_01_N  /  / GND  /  / GND  /  / ANL_03_P  /  / ANL_03_N  /  / GND  /  / ANL_05_P  /  / ANL_05_N  /  / GND  /  / ANL_07_P  /  / ANL_07_N  /  / GND  /  / ANL_09_P  /  / ANL_09_N  /  / GND  /  / ANL_SPI_CLK  /  / PS_I2C0_shared_SDA  /  / PS_ANL_shared  /  / GND  /  / GTH_CLK_P  /  / GTH_CLK_N  /  / GND  /  / Collective_FLT  /  / PILOT_IN" at 68.3,12.4 h1.53
  text "RJ45 analog output: / 0 V ... 5 V" at 146.6,9 h2
  text "BNC analog input: / 0 V ... 5 V" at 71.8,2.8 h2
  text "Poti analog output: / 0 V ... 5 V" at 107.6,2.8 h2
  text "UZ_A_Testboard / .ProjectRevision / .AuthorParam / .ProjectDate" at 47.4,1.8 h2
Mechanical 1:
  lines w0.2: 160,22.263 160,0 0,0 0,100 160,100 160,77.737
Mechanical 5:
  text "UZ_A_Testboard / .ProjectRevision / .AuthorParam / .ProjectDate" at 47.4,1.8 h2

## Text inside footprints (layer, text, board x,y; h text height)
Serial: Mechanical 5 "SerialNr" at 12.6,7.1 h0.7
X1: Mechanical 7 "1" at 155.2,67 h1.86 r270; Mechanical 7 "79" at 155.2,33 h1.86 r270; Mechanical 8 "2" at 155.2,67 h1.86 r270; Mechanical 8 "80" at 155.2,33 h1.86 r270
X2: Mechanical 5 "79" at 114,32.3 h1; Mechanical 5 "80" at 116.8,32.3 h1; Mechanical 5 "46" at 116.8,46.1 h1; Mechanical 5 "45" at 113.7,46.1 h1; Mechanical 5 "43" at 113.7,49.9 h1; Mechanical 5 "44" at 116.9,49.9 h1; Mechanical 5 "2" at 117.5,66.9 h1; Mechanical 5 "1" at 114.3,66.9 h1
X4: Mechanical 7 "PCB Edge" at 94.826,-0.625 h1.27 r180